# Altium PCB PCB_CARTE_SON.PcbDoc (part 2 of 5) (continued)
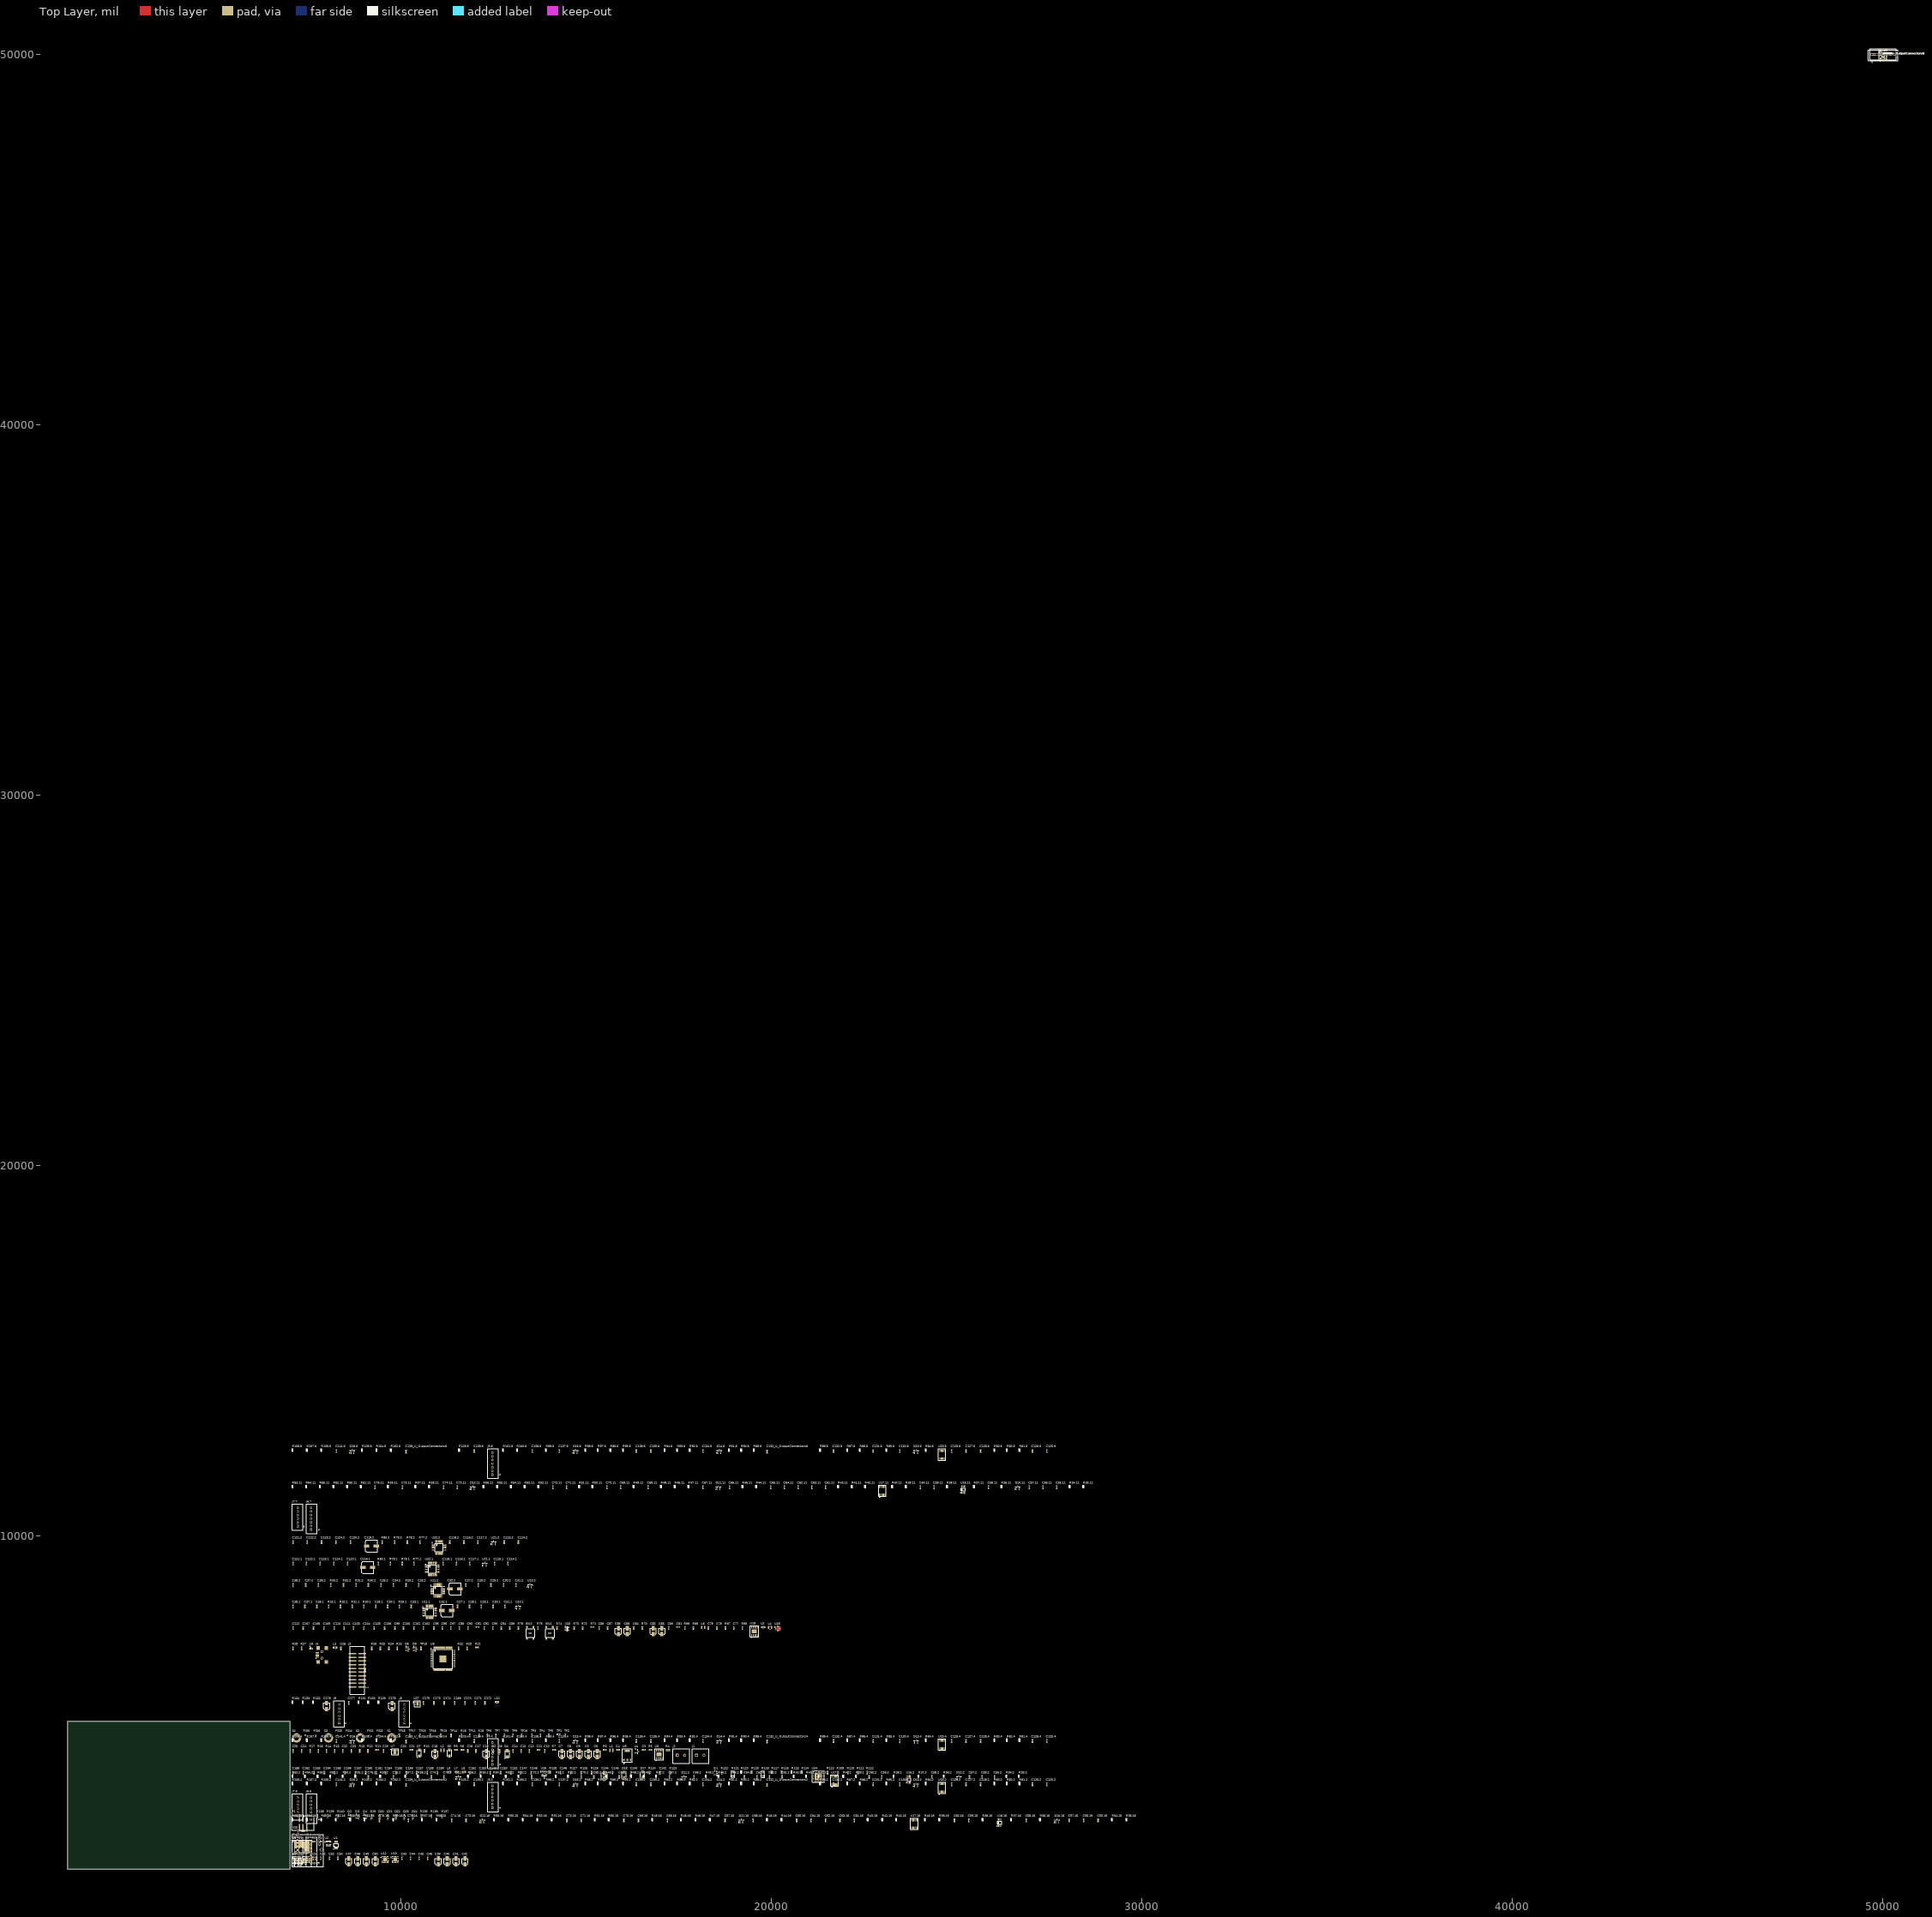
[diagram p0: Top Layer view]
## Components (designator, comment, footprint, x,y, rotation, side; value= is the part's Value field where it differs from the comment) (continued)
D10.14 "Diode_dual" SOT23_132 49999.5,49999.5 r0 top (schematic designator D10)
D10.15 "Diode_dual" SOT23_132 49999.5,49999.5 r0 top (schematic designator D10)
D10.16 "Diode_dual" SOT23_132 27705,2310 r90 top (schematic designator D10)
D11.1 "Diode_dual" SOT23_132 49999.5,49999.5 r0 top (schematic designator D11)
D11.2 "Diode_dual" SOT23_132 17635,3480 r90 top (schematic designator D11)
D11.3 "Diode_dual" SOT23_132 49999.5,49999.5 r0 top (schematic designator D11)
D11.4 "Diode_dual" SOT23_132 49999.5,49999.5 r0 top (schematic designator D11)
D11.5 "Diode_dual" SOT23_132 49999.5,49999.5 r0 top (schematic designator D11)
D11.6 "Diode_dual" SOT23_132 49999.5,49999.5 r0 top (schematic designator D11)
D11.7 "Diode_dual" SOT23_132 49999.5,49999.5 r0 top (schematic designator D11)
D11.8 "Diode_dual" SOT23_132 49999.5,49999.5 r0 top (schematic designator D11)
D11.9 "Diode_dual" SOT23_132 49999.5,49999.5 r0 top (schematic designator D11)
D11.10 "Diode_dual" SOT23_132 49999.5,49999.5 r0 top (schematic designator D11)
D11.11 "Diode_dual" SOT23_132 18565,11305 r90 top (schematic designator D11)
D11.12 "Diode_dual" SOT23_132 49999.5,49999.5 r0 top (schematic designator D11)
D11.13 "Diode_dual" SOT23_132 49999.5,49999.5 r0 top (schematic designator D11)
D11.14 "Diode_dual" SOT23_132 49999.5,49999.5 r0 top (schematic designator D11)
D11.15 "Diode_dual" SOT23_132 49999.5,49999.5 r0 top (schematic designator D11)
D11.16 "Diode_dual" SOT23_132 19185,2310 r90 top (schematic designator D11)
D12.1 "Diode_dual" SOT23_132 49999.5,49999.5 r0 top (schematic designator D12)
D12.2 "Diode_dual" SOT23_132 11545,3480 r90 top (schematic designator D12)
D12.3 "Diode_dual" SOT23_132 49999.5,49999.5 r0 top (schematic designator D12)
D12.4 "Diode_dual" SOT23_132 49999.5,49999.5 r0 top (schematic designator D12)
D12.5 "Diode_dual" SOT23_132 49999.5,49999.5 r0 top (schematic designator D12)
D12.6 "Diode_dual" SOT23_132 49999.5,49999.5 r0 top (schematic designator D12)
D12.7 "Diode_dual" SOT23_132 49999.5,49999.5 r0 top (schematic designator D12)
D12.8 "Diode_dual" SOT23_132 49999.5,49999.5 r0 top (schematic designator D12)
D12.9 "Diode_dual" SOT23_132 49999.5,49999.5 r0 top (schematic designator D12)
D12.10 "Diode_dual" SOT23_132 49999.5,49999.5 r0 top (schematic designator D12)
D12.11 "Diode_dual" SOT23_132 11935,11305 r90 top (schematic designator D12)
D12.12 "Diode_dual" SOT23_132 49999.5,49999.5 r0 top (schematic designator D12)
D12.13 "Diode_dual" SOT23_132 49999.5,49999.5 r0 top (schematic designator D12)
D12.14 "Diode_dual" SOT23_132 49999.5,49999.5 r0 top (schematic designator D12)
D12.15 "Diode_dual" SOT23_132 49999.5,49999.5 r0 top (schematic designator D12)
D12.16 "Diode_dual" SOT23_132 12195,2310 r90 top (schematic designator D12)
D13.1 "Diode_dual" SOT23_132 49999.5,49999.5 r0 top (schematic designator D13)
D13.2 "Diode_dual" SOT23_132 23900,3285 r90 top (schematic designator D13)
D13.3 "Diode_dual" SOT23_132 49999.5,49999.5 r0 top (schematic designator D13)
D13.4 "Diode_dual" SOT23_132 23900,4455 r90 top (schematic designator D13)
D13.5 "Diode_dual" SOT23_132 49999.5,49999.5 r0 top (schematic designator D13)
D13.6 "Diode_dual" SOT23_132 23900,12280 r90 top (schematic designator D13)
D13.7 "Diode_dual" SOT23_132 49999.5,49999.5 r0 top (schematic designator D13)
D13.8 "Diode_dual" SOT23_132 49999.5,49999.5 r0 top (schematic designator D13)
D14.1 "Diode_dual" SOT23_132 49999.5,49999.5 r0 top (schematic designator D14)
D14.2 "Diode_dual" SOT23_132 18590,3285 r90 top (schematic designator D14)
D14.3 "Diode_dual" SOT23_132 49999.5,49999.5 r0 top (schematic designator D14)
D14.4 "Diode_dual" SOT23_132 18590,4455 r90 top (schematic designator D14)
D14.5 "Diode_dual" SOT23_132 49999.5,49999.5 r0 top (schematic designator D14)
D14.6 "Diode_dual" SOT23_132 18590,12280 r90 top (schematic designator D14)
D14.7 "Diode_dual" SOT23_132 49999.5,49999.5 r0 top (schematic designator D14)
D14.8 "Diode_dual" SOT23_132 49999.5,49999.5 r0 top (schematic designator D14)
D15.1 "Diode_dual" SOT23_132 49999.5,49999.5 r0 top (schematic designator D15)
D15.2 "Diode_dual" SOT23_132 14710,3285 r90 top (schematic designator D15)
D15.3 "Diode_dual" SOT23_132 49999.5,49999.5 r0 top (schematic designator D15)
D15.4 "Diode_dual" SOT23_132 14710,4455 r90 top (schematic designator D15)
D15.5 "Diode_dual" SOT23_132 49999.5,49999.5 r0 top (schematic designator D15)
D15.6 "Diode_dual" SOT23_132 14710,12280 r90 top (schematic designator D15)
D15.7 "Diode_dual" SOT23_132 49999.5,49999.5 r0 top (schematic designator D15)
D15.8 "Diode_dual" SOT23_132 49999.5,49999.5 r0 top (schematic designator D15)
D16.1 "Diode_dual" SOT23_132 49999.5,49999.5 r0 top (schematic designator D16)
D16.2 "Diode_dual" SOT23_132 8685,3285 r90 top (schematic designator D16)
D16.3 "Diode_dual" SOT23_132 49999.5,49999.5 r0 top (schematic designator D16)
D16.4 "Diode_dual" SOT23_132 8685,4455 r90 top (schematic designator D16)
D16.5 "Diode_dual" SOT23_132 49999.5,49999.5 r0 top (schematic designator D16)
D16.6 "Diode_dual" SOT23_132 8685,12280 r90 top (schematic designator D16)
D16.7 "Diode_dual" SOT23_132 49999.5,49999.5 r0 top (schematic designator D16)
D16.8 "Diode_dual" SOT23_132 49999.5,49999.5 r0 top (schematic designator D16)
D17 "Diode" DIODE_SMA 16520,3550 r90 top
D18 "Diode" DIODE_SMA 16020,3550 r90 top
D19 "Diode_LED" 0805_LED 9200,2430 r90 top
D20 "Diode_LED" 0805_LED 9420,2430 r90 top
D21 "Diode_LED" 0805_LED 9650,2430 r90 top
D22 "Diode_LED" 0805_LED 9860,2430 r90 top
D23 "Diode_LED" 0805_LED 10090,2430 r90 top
D24 "Diode_LED" 0805_LED 10320,2430 r90 top
FID1 "Fiducial" FIDUCIAL 9135,4620 r0 top
FID2 "Fiducial" FIDUCIAL 9395,4620 r90 top
FID3 "Fiducial" FIDUCIAL 8275,4620 r90 top
FID4 "Fiducial" FIDUCIAL 8555,4620 r90 top
FID5 "Fiducial" FIDUCIAL 7415,4620 r90 top
FID6 "Fiducial" FIDUCIAL 7695,4620 r90 top
J1 "CONN_TERM_BLOCK_2_POS" "TERM BLOCK" 18075,4080 r0 top
J2 "CONN_TERM_BLOCK_2_POS" "TERM BLOCK" 17555,4080 r0 top
J3 "CON20" CONN20_100mils_pol_SMD 8820,6375 r90 top
J4 "USB_MINIB_690-005-299-043" CONN_USB_MINIB_690-005-299-043 7860,6790 r0 top
J5.1 "B7B-XH-A(LF)(SN)" CONN_7_HEADER 49999.5,49999.5 r0 top (schematic designator J5)
J5.2 "B7B-XH-A(LF)(SN)" CONN_7_HEADER 12465,2960 r90 top (schematic designator J5)
J5.3 "B7B-XH-A(LF)(SN)" CONN_7_HEADER 49999.5,49999.5 r0 top (schematic designator J5)
J5.4 "B7B-XH-A(LF)(SN)" CONN_7_HEADER 12465,4130 r90 top (schematic designator J5)
J5.5 "B7B-XH-A(LF)(SN)" CONN_7_HEADER 49999.5,49999.5 r0 top (schematic designator J5)
J5.6 "B7B-XH-A(LF)(SN)" CONN_7_HEADER 12465,11955 r90 top (schematic designator J5)
J5.7 "B7B-XH-A(LF)(SN)" CONN_7_HEADER 49999.5,49999.5 r0 top (schematic designator J5)
J5.8 "B7B-XH-A(LF)(SN)" CONN_7_HEADER 49999.5,49999.5 r0 top (schematic designator J5)
J6.1 "B7B-XH-A(LF)(SN)" CONN_7_HEADER 49999.5,49999.5 r0 top (schematic designator J6)
J6.2 "B7B-XH-A(LF)(SN)" CONN_7_HEADER 49999.5,49999.5 r0 top (schematic designator J6)
J6.3 "B7B-XH-A(LF)(SN)" CONN_7_HEADER 49999.5,49999.5 r0 top (schematic designator J6)
J6.4 "B7B-XH-A(LF)(SN)" CONN_7_HEADER 7570,1475 r90 top (schematic designator J6)
J6.5 "B7B-XH-A(LF)(SN)" CONN_7_HEADER 49999.5,49999.5 r0 top (schematic designator J6)
J6.6 "B7B-XH-A(LF)(SN)" CONN_7_HEADER 7570,2645 r90 top (schematic designator J6)
J6.7 "B7B-XH-A(LF)(SN)" CONN_7_HEADER 7570,10470 r90 top (schematic designator J6)
J6.8 "B7B-XH-A(LF)(SN)" CONN_7_HEADER 49999.5,49999.5 r0 top (schematic designator J6)
J7.1 "CON_XH_JST_6pins" CONN_6_HEADER 49999.5,49999.5 r0 top (schematic designator J7)
J7.2 "CON_XH_JST_6pins" CONN_6_HEADER 49999.5,49999.5 r0 top (schematic designator J7)
J7.3 "CON_XH_JST_6pins" CONN_6_HEADER 49999.5,49999.5 r0 top (schematic designator J7)
J7.4 "CON_XH_JST_6pins" CONN_6_HEADER 7210,1520 r90 top (schematic designator J7)
J7.5 "CON_XH_JST_6pins" CONN_6_HEADER 49999.5,49999.5 r0 top (schematic designator J7)
J7.6 "CON_XH_JST_6pins" CONN_6_HEADER 7210,2690 r90 top (schematic designator J7)
J7.7 "CON_XH_JST_6pins" CONN_6_HEADER 7210,10515 r90 top (schematic designator J7)
J7.8 "CON_XH_JST_6pins" CONN_6_HEADER 49999.5,49999.5 r0 top (schematic designator J7)
J8 "CON_XH_JST_6pins" CONN_6_HEADER 10095,5200 r90 top
J9 "CON_XH_JST_6pins" CONN_6_HEADER 8330,5200 r90 top
L1 "Inductor" IND_252012CDMC/DS 15680,4215 r0 top
L2 "Inductor" IND_252012CDMC/DS 11120,4215 r0 top
L3 "Ferrite" 0805 8220,6990 r0 top
L4 "Inductor" IND_252012CDMC/DS 19960,7530 r0 top
L5 "Ferrite" 0805 19775,7540 r0 top
L6 "Inductor" IND_252012CDMC/DS 18150,7530 r0 top
L7 "Ferrite" 0805 11500,3635 r0 top
L8 "Ferrite" 0805 11695,3635 r0 top
L9 "Ferrite" 0805 11305,3635 r0 top
L10 "Ferrite" 0805 12585,5520 r0 top
P1 "CON6_3020-06-0300-00" CONN6_100mils_pol_SMD 7355,2255 r0 top
Q1 "MOSFET_P_GDS" SOT23_GDS 18500,3595 r0 top
Q2 "BJT_N_GDS" SOT23_GDS 8625,2425 r0 top
Q3 "BJT_N_GDS" SOT23_GDS 8830,2425 r0 top
Q4 "BJT_N_GDS" SOT23_GDS 9035,2425 r0 top
R1 "Resistor" 0603 7645,1750 r0 top
R2 "Resistor" 0603 7820,1750 r0 top
R3 "Resistor" 0603 7465,1750 r0 top
R4 "Resistor_PTC" 0805 17205,4225 r0 top
R5 "Resistor" 0603 16730,4230 r0 top
R6 "Resistor" 0603 15500,4230 r0 top
R7 "Resistor" 0603 14130,4230 r0 top
R8 "Resistor" 0603 11655,4230 r0 top
R9 "Resistor" 0603 11480,4230 r0 top
R10 "Resistor" 0603 10630,4200 r90 top
R11 "Resistor" 0603 9355,4230 r0 top
R12 "Resistor" 0603 9105,4200 r90 top
R13 "Resistor" 0603 8885,4200 r90 top
R14 "Resistor" 0603 7985,4200 r90 top
R15 "Resistor" 0603 8205,4200 r90 top
R16 "Resistor" 0603 7765,4200 r90 top
R17 "Resistor" 0603 7545,4200 r90 top
R18 "Resistor" 0603 12110,4615 r90 top
R19 "Resistor" 0603 11630,4615 r90 top
R20 "Resistor" 0603 11785,6965 r90 top
R21 "Resistor" 0603 12050,6995 r0 top
R22 "Resistor" 0603 11555,6965 r90 top
R23 "Resistor" 0603 9900,6965 r90 top
R24 "Resistor" 0603 9670,6965 r90 top
R25 "Resistor" 0603 9440,6965 r90 top
R26 "Resistor" 0603 9210,6965 r90 top
R27 "Resistor" 0603 7315,6965 r90 top
R28 "Resistor" 0603 7085,6965 r90 top
R29.1 "Resistor" 0603 9955,8095 r90 top (schematic designator R29)
R29.2 "Resistor" 0603 10135,8675 r90 top (schematic designator R29)
R30.1 "Resistor" 0603 8995,8095 r90 top (schematic designator R30)
R30.2 "Resistor" 0603 9115,8675 r90 top (schematic designator R30)
R31.1 "Resistor" 0603 8685,8095 r90 top (schematic designator R31)
R31.2 "Resistor" 0603 8785,8675 r90 top (schematic designator R31)
R32.1 "Resistor" 0603 8365,8095 r90 top (schematic designator R32)
R32.2 "Resistor" 0603 8445,8675 r90 top (schematic designator R32)
R33.1 "Resistor" 0603 8045,8095 r90 top (schematic designator R33)
R33.2 "Resistor" 0603 8105,8675 r90 top (schematic designator R33)
R34.1 "Resistor" 0402 49999.5,49999.5 r0 top (schematic designator R34)
R34.2 "Resistor" 0402 26340,3520 r90 top (schematic designator R34)
R34.3 "Resistor" 0402 49999.5,49999.5 r0 top (schematic designator R34)
R34.4 "Resistor" 0402 49999.5,49999.5 r0 top (schematic designator R34)
R34.5 "Resistor" 0402 49999.5,49999.5 r0 top (schematic designator R34)
R34.6 "Resistor" 0402 49999.5,49999.5 r0 top (schematic designator R34)
R34.7 "Resistor" 0402 49999.5,49999.5 r0 top (schematic designator R34)
R34.8 "Resistor" 0402 49999.5,49999.5 r0 top (schematic designator R34)
R34.9 "Resistor" 0402 49999.5,49999.5 r0 top (schematic designator R34)
R34.10 "Resistor" 0402 49999.5,49999.5 r0 top (schematic designator R34)
R34.11 "Resistor" 0402 28050,11345 r90 top (schematic designator R34)
R34.12 "Resistor" 0402 49999.5,49999.5 r0 top (schematic designator R34)
R34.13 "Resistor" 0402 49999.5,49999.5 r0 top (schematic designator R34)
R34.14 "Resistor" 0402 49999.5,49999.5 r0 top (schematic designator R34)
R34.15 "Resistor" 0402 49999.5,49999.5 r0 top (schematic designator R34)
R34.16 "Resistor" 0402 29190,2350 r90 top (schematic designator R34)
R35.1 "Resistor" 0402 49999.5,49999.5 r0 top (schematic designator R35)
R35.2 "Resistor" 0402 26680,3520 r90 top (schematic designator R35)
R35.3 "Resistor" 0402 49999.5,49999.5 r0 top (schematic designator R35)
R35.4 "Resistor" 0402 49999.5,49999.5 r0 top (schematic designator R35)
R35.5 "Resistor" 0402 49999.5,49999.5 r0 top (schematic designator R35)
R35.6 "Resistor" 0402 49999.5,49999.5 r0 top (schematic designator R35)
R35.7 "Resistor" 0402 49999.5,49999.5 r0 top (schematic designator R35)
R35.8 "Resistor" 0402 49999.5,49999.5 r0 top (schematic designator R35)
R35.9 "Resistor" 0402 49999.5,49999.5 r0 top (schematic designator R35)
R35.10 "Resistor" 0402 49999.5,49999.5 r0 top (schematic designator R35)
R35.11 "Resistor" 0402 28420,11345 r90 top (schematic designator R35)
R35.12 "Resistor" 0402 49999.5,49999.5 r0 top (schematic designator R35)
R35.13 "Resistor" 0402 49999.5,49999.5 r0 top (schematic designator R35)
R35.14 "Resistor" 0402 49999.5,49999.5 r0 top (schematic designator R35)
R35.15 "Resistor" 0402 49999.5,49999.5 r0 top (schematic designator R35)
R35.16 "Resistor" 0402 29580,2350 r90 top (schematic designator R35)
R36.1 "Resistor" 0402 49999.5,49999.5 r0 top (schematic designator R36)
R36.2 "Resistor" 0402 24650,3520 r90 top (schematic designator R36)
R36.3 "Resistor" 0402 49999.5,49999.5 r0 top (schematic designator R36)
R36.4 "Resistor" 0402 49999.5,49999.5 r0 top (schematic designator R36)
R36.5 "Resistor" 0402 49999.5,49999.5 r0 top (schematic designator R36)
R36.6 "Resistor" 0402 49999.5,49999.5 r0 top (schematic designator R36)
R36.7 "Resistor" 0402 49999.5,49999.5 r0 top (schematic designator R36)
R36.8 "Resistor" 0402 49999.5,49999.5 r0 top (schematic designator R36)
R36.9 "Resistor" 0402 49999.5,49999.5 r0 top (schematic designator R36)
R36.10 "Resistor" 0402 49999.5,49999.5 r0 top (schematic designator R36)
R36.11 "Resistor" 0402 26210,11345 r90 top (schematic designator R36)
R36.12 "Resistor" 0402 49999.5,49999.5 r0 top (schematic designator R36)
R36.13 "Resistor" 0402 49999.5,49999.5 r0 top (schematic designator R36)
R36.14 "Resistor" 0402 49999.5,49999.5 r0 top (schematic designator R36)
R36.15 "Resistor" 0402 49999.5,49999.5 r0 top (schematic designator R36)
R36.16 "Resistor" 0402 27250,2350 r90 top (schematic designator R36)
R37.1 "Resistor" 0402 49999.5,49999.5 r0 top (schematic designator R37)
R37.2 "Resistor" 0402 23970,3520 r90 top (schematic designator R37)
R37.3 "Resistor" 0402 49999.5,49999.5 r0 top (schematic designator R37)
R37.4 "Resistor" 0402 49999.5,49999.5 r0 top (schematic designator R37)
R37.5 "Resistor" 0402 49999.5,49999.5 r0 top (schematic designator R37)
R37.6 "Resistor" 0402 49999.5,49999.5 r0 top (schematic designator R37)
R37.7 "Resistor" 0402 49999.5,49999.5 r0 top (schematic designator R37)
R37.8 "Resistor" 0402 49999.5,49999.5 r0 top (schematic designator R37)
R37.9 "Resistor" 0402 49999.5,49999.5 r0 top (schematic designator R37)
R37.10 "Resistor" 0402 49999.5,49999.5 r0 top (schematic designator R37)
R37.11 "Resistor" 0402 25470,11345 r90 top (schematic designator R37)
R37.12 "Resistor" 0402 49999.5,49999.5 r0 top (schematic designator R37)
R37.13 "Resistor" 0402 49999.5,49999.5 r0 top (schematic designator R37)
R37.14 "Resistor" 0402 49999.5,49999.5 r0 top (schematic designator R37)
R37.15 "Resistor" 0402 49999.5,49999.5 r0 top (schematic designator R37)
R37.16 "Resistor" 0402 26470,2350 r90 top (schematic designator R37)
R38.1 "Resistor" 0402 49999.5,49999.5 r0 top (schematic designator R38)
R38.2 "Resistor" 0402 23300,3520 r90 top (schematic designator R38)
R38.3 "Resistor" 0402 49999.5,49999.5 r0 top (schematic designator R38)
R38.4 "Resistor" 0402 49999.5,49999.5 r0 top (schematic designator R38)
R38.5 "Resistor" 0402 49999.5,49999.5 r0 top (schematic designator R38)
R38.6 "Resistor" 0402 49999.5,49999.5 r0 top (schematic designator R38)
R38.7 "Resistor" 0402 49999.5,49999.5 r0 top (schematic designator R38)
R38.8 "Resistor" 0402 49999.5,49999.5 r0 top (schematic designator R38)
R38.9 "Resistor" 0402 49999.5,49999.5 r0 top (schematic designator R38)
R38.10 "Resistor" 0402 49999.5,49999.5 r0 top (schematic designator R38)
R38.11 "Resistor" 0402 24740,11345 r90 top (schematic designator R38)
R38.12 "Resistor" 0402 49999.5,49999.5 r0 top (schematic designator R38)
R38.13 "Resistor" 0402 49999.5,49999.5 r0 top (schematic designator R38)
R38.14 "Resistor" 0402 49999.5,49999.5 r0 top (schematic designator R38)
R38.15 "Resistor" 0402 49999.5,49999.5 r0 top (schematic designator R38)
R38.16 "Resistor" 0402 25700,2350 r90 top (schematic designator R38)
R39.1 "Resistor" 0402 49999.5,49999.5 r0 top (schematic designator R39)
R39.2 "Resistor" 0402 22280,3520 r90 top (schematic designator R39)
R39.3 "Resistor" 0402 49999.5,49999.5 r0 top (schematic designator R39)
R39.4 "Resistor" 0402 49999.5,49999.5 r0 top (schematic designator R39)
R39.5 "Resistor" 0402 49999.5,49999.5 r0 top (schematic designator R39)
R39.6 "Resistor" 0402 49999.5,49999.5 r0 top (schematic designator R39)
R39.7 "Resistor" 0402 49999.5,49999.5 r0 top (schematic designator R39)
R39.8 "Resistor" 0402 49999.5,49999.5 r0 top (schematic designator R39)
R39.9 "Resistor" 0402 49999.5,49999.5 r0 top (schematic designator R39)
R39.10 "Resistor" 0402 49999.5,49999.5 r0 top (schematic designator R39)
R39.11 "Resistor" 0402 23630,11345 r90 top (schematic designator R39)
R39.12 "Resistor" 0402 49999.5,49999.5 r0 top (schematic designator R39)
R39.13 "Resistor" 0402 49999.5,49999.5 r0 top (schematic designator R39)
R39.14 "Resistor" 0402 49999.5,49999.5 r0 top (schematic designator R39)
R39.15 "Resistor" 0402 49999.5,49999.5 r0 top (schematic designator R39)
R39.16 "Resistor" 0402 24530,2350 r90 top (schematic designator R39)
R40.1 "Resistor" 0402 49999.5,49999.5 r0 top (schematic designator R40)
R40.2 "Resistor" 0402 21940,3520 r90 top (schematic designator R40)
R40.3 "Resistor" 0402 49999.5,49999.5 r0 top (schematic designator R40)
R40.4 "Resistor" 0402 49999.5,49999.5 r0 top (schematic designator R40)
R40.5 "Resistor" 0402 49999.5,49999.5 r0 top (schematic designator R40)
R40.6 "Resistor" 0402 49999.5,49999.5 r0 top (schematic designator R40)
R40.7 "Resistor" 0402 49999.5,49999.5 r0 top (schematic designator R40)
R40.8 "Resistor" 0402 49999.5,49999.5 r0 top (schematic designator R40)
R40.9 "Resistor" 0402 49999.5,49999.5 r0 top (schematic designator R40)
R40.10 "Resistor" 0402 49999.5,49999.5 r0 top (schematic designator R40)
R40.11 "Resistor" 0402 23260,11345 r90 top (schematic designator R40)
R40.12 "Resistor" 0402 49999.5,49999.5 r0 top (schematic designator R40)
R40.13 "Resistor" 0402 49999.5,49999.5 r0 top (schematic designator R40)
R40.14 "Resistor" 0402 49999.5,49999.5 r0 top (schematic designator R40)
R40.15 "Resistor" 0402 49999.5,49999.5 r0 top (schematic designator R40)
R40.16 "Resistor" 0402 24140,2350 r90 top (schematic designator R40)
R41.1 "Resistor" 0402 49999.5,49999.5 r0 top (schematic designator R41)
R41.2 "Resistor" 0402 20940,3520 r90 top (schematic designator R41)
R41.3 "Resistor" 0402 49999.5,49999.5 r0 top (schematic designator R41)
R41.4 "Resistor" 0402 49999.5,49999.5 r0 top (schematic designator R41)
R41.5 "Resistor" 0402 49999.5,49999.5 r0 top (schematic designator R41)
R41.6 "Resistor" 0402 49999.5,49999.5 r0 top (schematic designator R41)
R41.7 "Resistor" 0402 49999.5,49999.5 r0 top (schematic designator R41)
R41.8 "Resistor" 0402 49999.5,49999.5 r0 top (schematic designator R41)
R41.9 "Resistor" 0402 49999.5,49999.5 r0 top (schematic designator R41)
R41.10 "Resistor" 0402 49999.5,49999.5 r0 top (schematic designator R41)
R41.11 "Resistor" 0402 22170,11345 r90 top (schematic designator R41)
R41.12 "Resistor" 0402 49999.5,49999.5 r0 top (schematic designator R41)
R41.13 "Resistor" 0402 49999.5,49999.5 r0 top (schematic designator R41)
R41.14 "Resistor" 0402 49999.5,49999.5 r0 top (schematic designator R41)
R41.15 "Resistor" 0402 49999.5,49999.5 r0 top (schematic designator R41)
R41.16 "Resistor" 0402 22990,2350 r90 top (schematic designator R41)
R42.1 "Resistor" 0402 49999.5,49999.5 r0 top (schematic designator R42)
R42.2 "Resistor" 0402 21270,3520 r90 top (schematic designator R42)
R42.3 "Resistor" 0402 49999.5,49999.5 r0 top (schematic designator R42)
R42.4 "Resistor" 0402 49999.5,49999.5 r0 top (schematic designator R42)
R42.5 "Resistor" 0402 49999.5,49999.5 r0 top (schematic designator R42)
R42.6 "Resistor" 0402 49999.5,49999.5 r0 top (schematic designator R42)
R42.7 "Resistor" 0402 49999.5,49999.5 r0 top (schematic designator R42)
R42.8 "Resistor" 0402 49999.5,49999.5 r0 top (schematic designator R42)
R42.9 "Resistor" 0402 49999.5,49999.5 r0 top (schematic designator R42)
R42.10 "Resistor" 0402 49999.5,49999.5 r0 top (schematic designator R42)
R42.11 "Resistor" 0402 22530,11345 r90 top (schematic designator R42)
R42.12 "Resistor" 0402 49999.5,49999.5 r0 top (schematic designator R42)
R42.13 "Resistor" 0402 49999.5,49999.5 r0 top (schematic designator R42)
R42.14 "Resistor" 0402 49999.5,49999.5 r0 top (schematic designator R42)
R42.15 "Resistor" 0402 49999.5,49999.5 r0 top (schematic designator R42)
R42.16 "Resistor" 0402 23370,2350 r90 top (schematic designator R42)
R43.1 "Resistor" 0402 49999.5,49999.5 r0 top (schematic designator R43)
R43.2 "Resistor" 0402 20600,3520 r90 top (schematic designator R43)
R43.3 "Resistor" 0402 49999.5,49999.5 r0 top (schematic designator R43)
R43.4 "Resistor" 0402 49999.5,49999.5 r0 top (schematic designator R43)
R43.5 "Resistor" 0402 49999.5,49999.5 r0 top (schematic designator R43)
R43.6 "Resistor" 0402 49999.5,49999.5 r0 top (schematic designator R43)
R43.7 "Resistor" 0402 49999.5,49999.5 r0 top (schematic designator R43)
R43.8 "Resistor" 0402 49999.5,49999.5 r0 top (schematic designator R43)
R43.9 "Resistor" 0402 49999.5,49999.5 r0 top (schematic designator R43)
R43.10 "Resistor" 0402 49999.5,49999.5 r0 top (schematic designator R43)
R43.11 "Resistor" 0402 21800,11345 r90 top (schematic designator R43)
R43.12 "Resistor" 0402 49999.5,49999.5 r0 top (schematic designator R43)
R43.13 "Resistor" 0402 49999.5,49999.5 r0 top (schematic designator R43)
R43.14 "Resistor" 0402 49999.5,49999.5 r0 top (schematic designator R43)
R43.15 "Resistor" 0402 49999.5,49999.5 r0 top (schematic designator R43)
R43.16 "Resistor" 0402 22600,2350 r90 top (schematic designator R43)
R44.1 "Resistor" 0402 49999.5,49999.5 r0 top (schematic designator R44)
R44.2 "Resistor" 0402 18570,3520 r90 top (schematic designator R44)
R44.3 "Resistor" 0402 49999.5,49999.5 r0 top (schematic designator R44)
R44.4 "Resistor" 0402 49999.5,49999.5 r0 top (schematic designator R44)
R44.5 "Resistor" 0402 49999.5,49999.5 r0 top (schematic designator R44)
R44.6 "Resistor" 0402 49999.5,49999.5 r0 top (schematic designator R44)
R44.7 "Resistor" 0402 49999.5,49999.5 r0 top (schematic designator R44)
R44.8 "Resistor" 0402 49999.5,49999.5 r0 top (schematic designator R44)
R44.9 "Resistor" 0402 49999.5,49999.5 r0 top (schematic designator R44)
R44.10 "Resistor" 0402 49999.5,49999.5 r0 top (schematic designator R44)
R44.11 "Resistor" 0402 19590,11345 r90 top (schematic designator R44)
R44.12 "Resistor" 0402 49999.5,49999.5 r0 top (schematic designator R44)
R44.13 "Resistor" 0402 49999.5,49999.5 r0 top (schematic designator R44)
R44.14 "Resistor" 0402 49999.5,49999.5 r0 top (schematic designator R44)
R44.15 "Resistor" 0402 49999.5,49999.5 r0 top (schematic designator R44)
R44.16 "Resistor" 0402 20270,2350 r90 top (schematic designator R44)
R45.1 "Resistor" 0402 49999.5,49999.5 r0 top (schematic designator R45)
R45.2 "Resistor" 0402 18230,3520 r90 top (schematic designator R45)
R45.3 "Resistor" 0402 49999.5,49999.5 r0 top (schematic designator R45)
R45.4 "Resistor" 0402 49999.5,49999.5 r0 top (schematic designator R45)
R45.5 "Resistor" 0402 49999.5,49999.5 r0 top (schematic designator R45)
R45.6 "Resistor" 0402 49999.5,49999.5 r0 top (schematic designator R45)
R45.7 "Resistor" 0402 49999.5,49999.5 r0 top (schematic designator R45)
R45.8 "Resistor" 0402 49999.5,49999.5 r0 top (schematic designator R45)
R45.9 "Resistor" 0402 49999.5,49999.5 r0 top (schematic designator R45)
R45.10 "Resistor" 0402 49999.5,49999.5 r0 top (schematic designator R45)
R45.11 "Resistor" 0402 19220,11345 r90 top (schematic designator R45)
R45.12 "Resistor" 0402 49999.5,49999.5 r0 top (schematic designator R45)
R45.13 "Resistor" 0402 49999.5,49999.5 r0 top (schematic designator R45)
R45.14 "Resistor" 0402 49999.5,49999.5 r0 top (schematic designator R45)
R45.15 "Resistor" 0402 49999.5,49999.5 r0 top (schematic designator R45)
R45.16 "Resistor" 0402 19880,2350 r90 top (schematic designator R45)
R46.1 "Resistor" 0402 49999.5,49999.5 r0 top (schematic designator R46)
R46.2 "Resistor" 0402 16550,3520 r90 top (schematic designator R46)
R46.3 "Resistor" 0402 49999.5,49999.5 r0 top (schematic designator R46)
R46.4 "Resistor" 0402 49999.5,49999.5 r0 top (schematic designator R46)
R46.5 "Resistor" 0402 49999.5,49999.5 r0 top (schematic designator R46)
R46.6 "Resistor" 0402 49999.5,49999.5 r0 top (schematic designator R46)
R46.7 "Resistor" 0402 49999.5,49999.5 r0 top (schematic designator R46)
R46.8 "Resistor" 0402 49999.5,49999.5 r0 top (schematic designator R46)
R46.9 "Resistor" 0402 49999.5,49999.5 r0 top (schematic designator R46)
R46.10 "Resistor" 0402 49999.5,49999.5 r0 top (schematic designator R46)
R46.11 "Resistor" 0402 17390,11345 r90 top (schematic designator R46)
R46.12 "Resistor" 0402 49999.5,49999.5 r0 top (schematic designator R46)
R46.13 "Resistor" 0402 49999.5,49999.5 r0 top (schematic designator R46)
R46.14 "Resistor" 0402 49999.5,49999.5 r0 top (schematic designator R46)
R46.15 "Resistor" 0402 49999.5,49999.5 r0 top (schematic designator R46)
R46.16 "Resistor" 0402 17950,2350 r90 top (schematic designator R46)
R47.1 "Resistor" 0402 49999.5,49999.5 r0 top (schematic designator R47)
R47.2 "Resistor" 0402 16890,3520 r90 top (schematic designator R47)
R47.3 "Resistor" 0402 49999.5,49999.5 r0 top (schematic designator R47)
R47.4 "Resistor" 0402 49999.5,49999.5 r0 top (schematic designator R47)
R47.5 "Resistor" 0402 49999.5,49999.5 r0 top (schematic designator R47)
R47.6 "Resistor" 0402 49999.5,49999.5 r0 top (schematic designator R47)
R47.7 "Resistor" 0402 49999.5,49999.5 r0 top (schematic designator R47)
R47.8 "Resistor" 0402 49999.5,49999.5 r0 top (schematic designator R47)
R47.9 "Resistor" 0402 49999.5,49999.5 r0 top (schematic designator R47)
R47.10 "Resistor" 0402 49999.5,49999.5 r0 top (schematic designator R47)
R47.11 "Resistor" 0402 17760,11345 r90 top (schematic designator R47)
R47.12 "Resistor" 0402 49999.5,49999.5 r0 top (schematic designator R47)
R47.13 "Resistor" 0402 49999.5,49999.5 r0 top (schematic designator R47)
R47.14 "Resistor" 0402 49999.5,49999.5 r0 top (schematic designator R47)
R47.15 "Resistor" 0402 49999.5,49999.5 r0 top (schematic designator R47)
R47.16 "Resistor" 0402 18340,2350 r90 top (schematic designator R47)
R48.1 "Resistor" 0402 49999.5,49999.5 r0 top (schematic designator R48)
R48.2 "Resistor" 0402 16210,3520 r90 top (schematic designator R48)
R48.3 "Resistor" 0402 49999.5,49999.5 r0 top (schematic designator R48)
R48.4 "Resistor" 0402 49999.5,49999.5 r0 top (schematic designator R48)
R48.5 "Resistor" 0402 49999.5,49999.5 r0 top (schematic designator R48)
R48.6 "Resistor" 0402 49999.5,49999.5 r0 top (schematic designator R48)
R48.7 "Resistor" 0402 49999.5,49999.5 r0 top (schematic designator R48)
R48.8 "Resistor" 0402 49999.5,49999.5 r0 top (schematic designator R48)
R48.9 "Resistor" 0402 49999.5,49999.5 r0 top (schematic designator R48)
R48.10 "Resistor" 0402 49999.5,49999.5 r0 top (schematic designator R48)
R48.11 "Resistor" 0402 17020,11345 r90 top (schematic designator R48)
R48.12 "Resistor" 0402 49999.5,49999.5 r0 top (schematic designator R48)
R48.13 "Resistor" 0402 49999.5,49999.5 r0 top (schematic designator R48)
R48.14 "Resistor" 0402 49999.5,49999.5 r0 top (schematic designator R48)
R48.15 "Resistor" 0402 49999.5,49999.5 r0 top (schematic designator R48)
R48.16 "Resistor" 0402 17560,2350 r90 top (schematic designator R48)
R49.1 "Resistor" 0402 49999.5,49999.5 r0 top (schematic designator R49)
R49.2 "Resistor" 0402 15530,3520 r90 top (schematic designator R49)
R49.3 "Resistor" 0402 49999.5,49999.5 r0 top (schematic designator R49)
R49.4 "Resistor" 0402 49999.5,49999.5 r0 top (schematic designator R49)
R49.5 "Resistor" 0402 49999.5,49999.5 r0 top (schematic designator R49)
R49.6 "Resistor" 0402 49999.5,49999.5 r0 top (schematic designator R49)
R49.7 "Resistor" 0402 49999.5,49999.5 r0 top (schematic designator R49)
R49.8 "Resistor" 0402 49999.5,49999.5 r0 top (schematic designator R49)
R49.9 "Resistor" 0402 49999.5,49999.5 r0 top (schematic designator R49)
R49.10 "Resistor" 0402 49999.5,49999.5 r0 top (schematic designator R49)
R49.11 "Resistor" 0402 16280,11345 r90 top (schematic designator R49)
R49.12 "Resistor" 0402 49999.5,49999.5 r0 top (schematic designator R49)
R49.13 "Resistor" 0402 49999.5,49999.5 r0 top (schematic designator R49)
R49.14 "Resistor" 0402 49999.5,49999.5 r0 top (schematic designator R49)
R49.15 "Resistor" 0402 49999.5,49999.5 r0 top (schematic designator R49)
R49.16 "Resistor" 0402 16780,2350 r90 top (schematic designator R49)